# Altium PCB ER100_Driver.PcbDoc (part 1 of 2)
Units mil, origin at the board's own origin, x right, y up, seen from the top; angles counter-clockwise.
Board outline 4527.56 x 3228.35 mil, 4 copper layers (Top Layer, MidLayer1, MidLayer2, Bottom Layer); 68 components, 74 nets, 510 pads, 543 vias.
Unrouted connection lines stored in the file: 17.
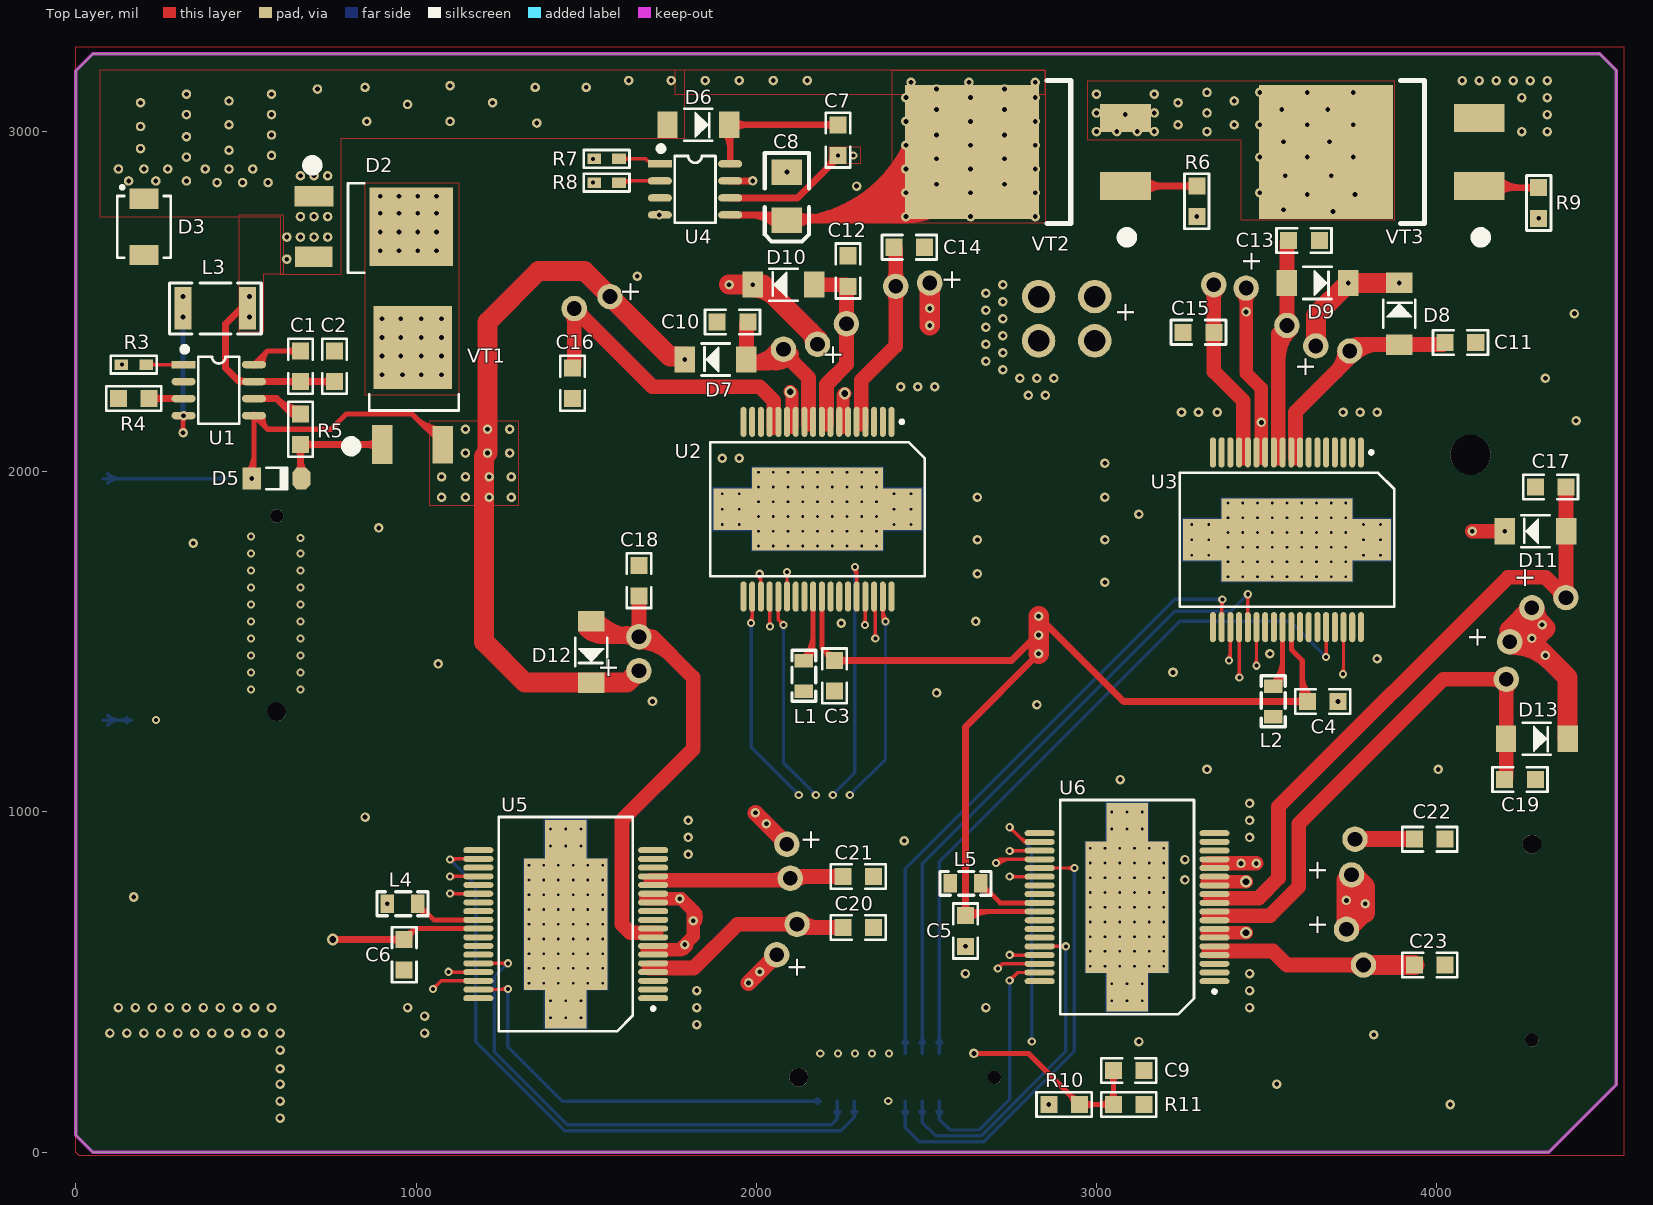
[diagram p0: Top Layer view]
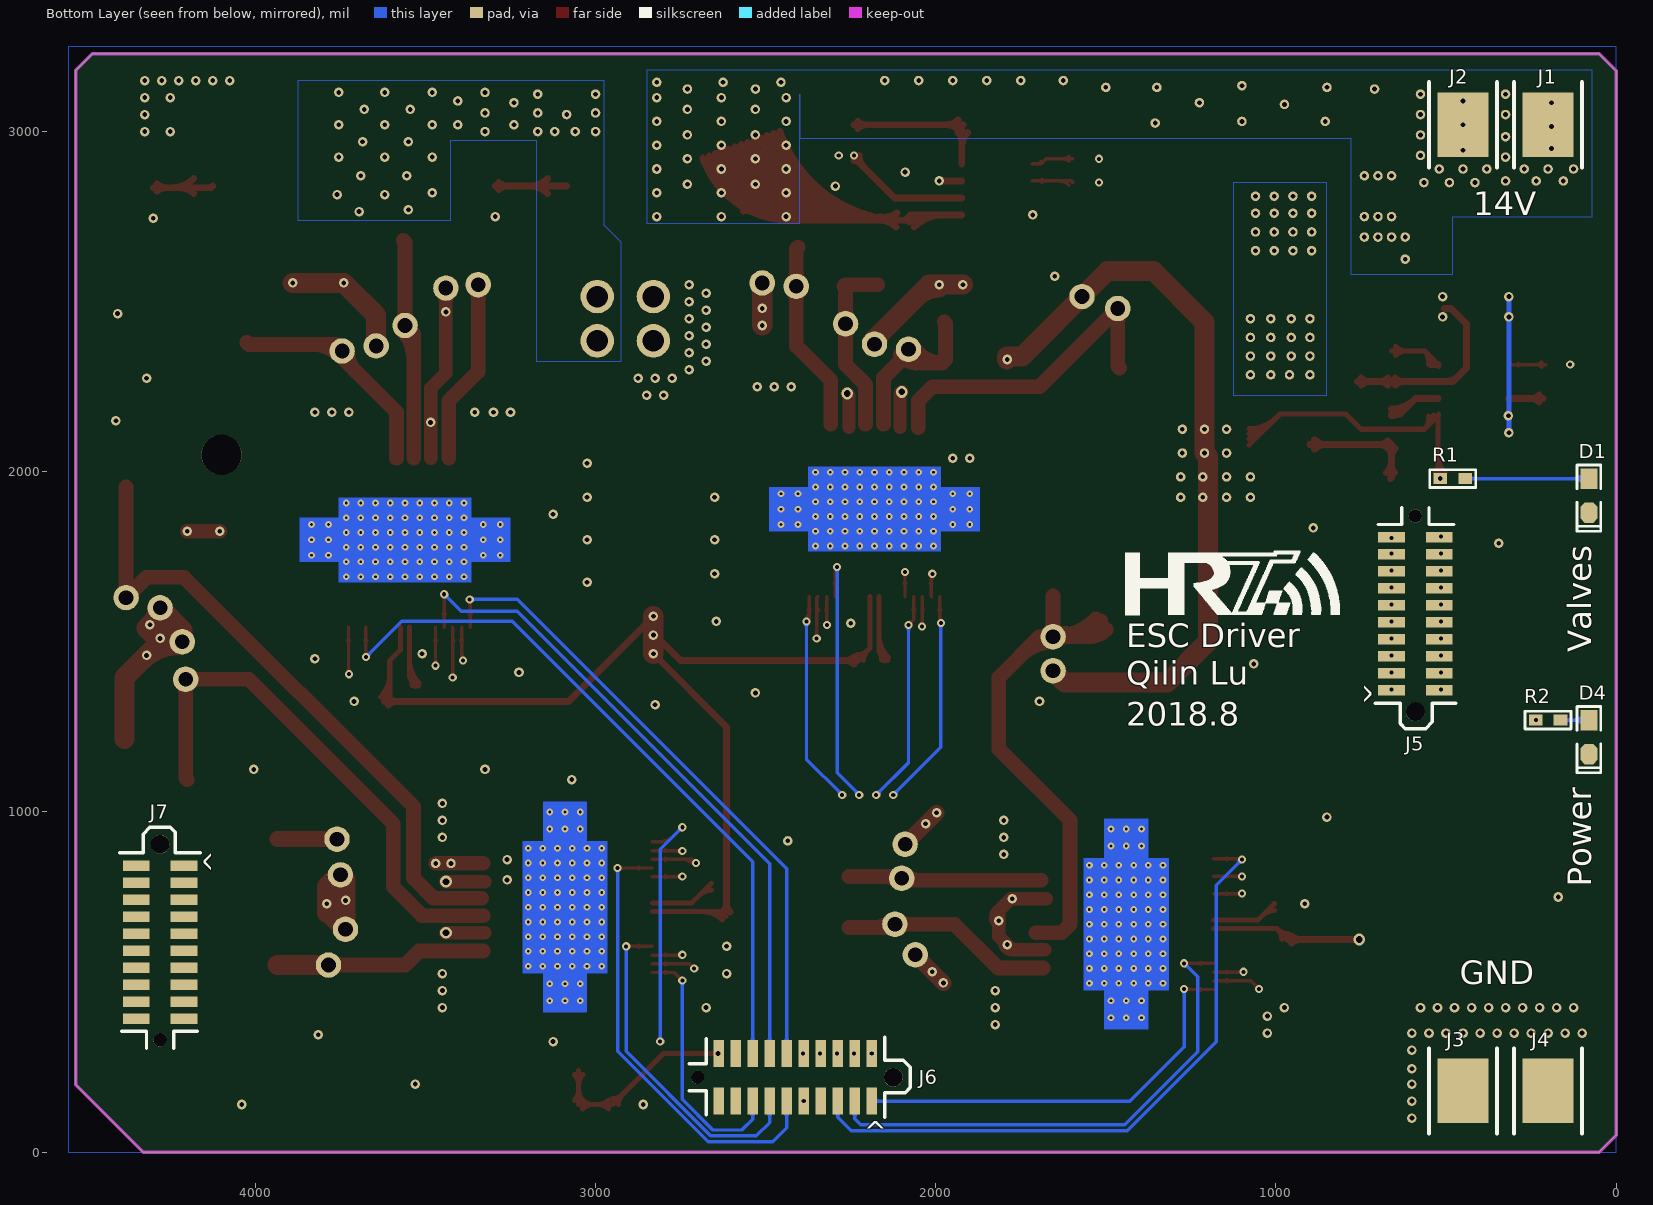
[diagram p1: Bottom Layer view, seen from below]
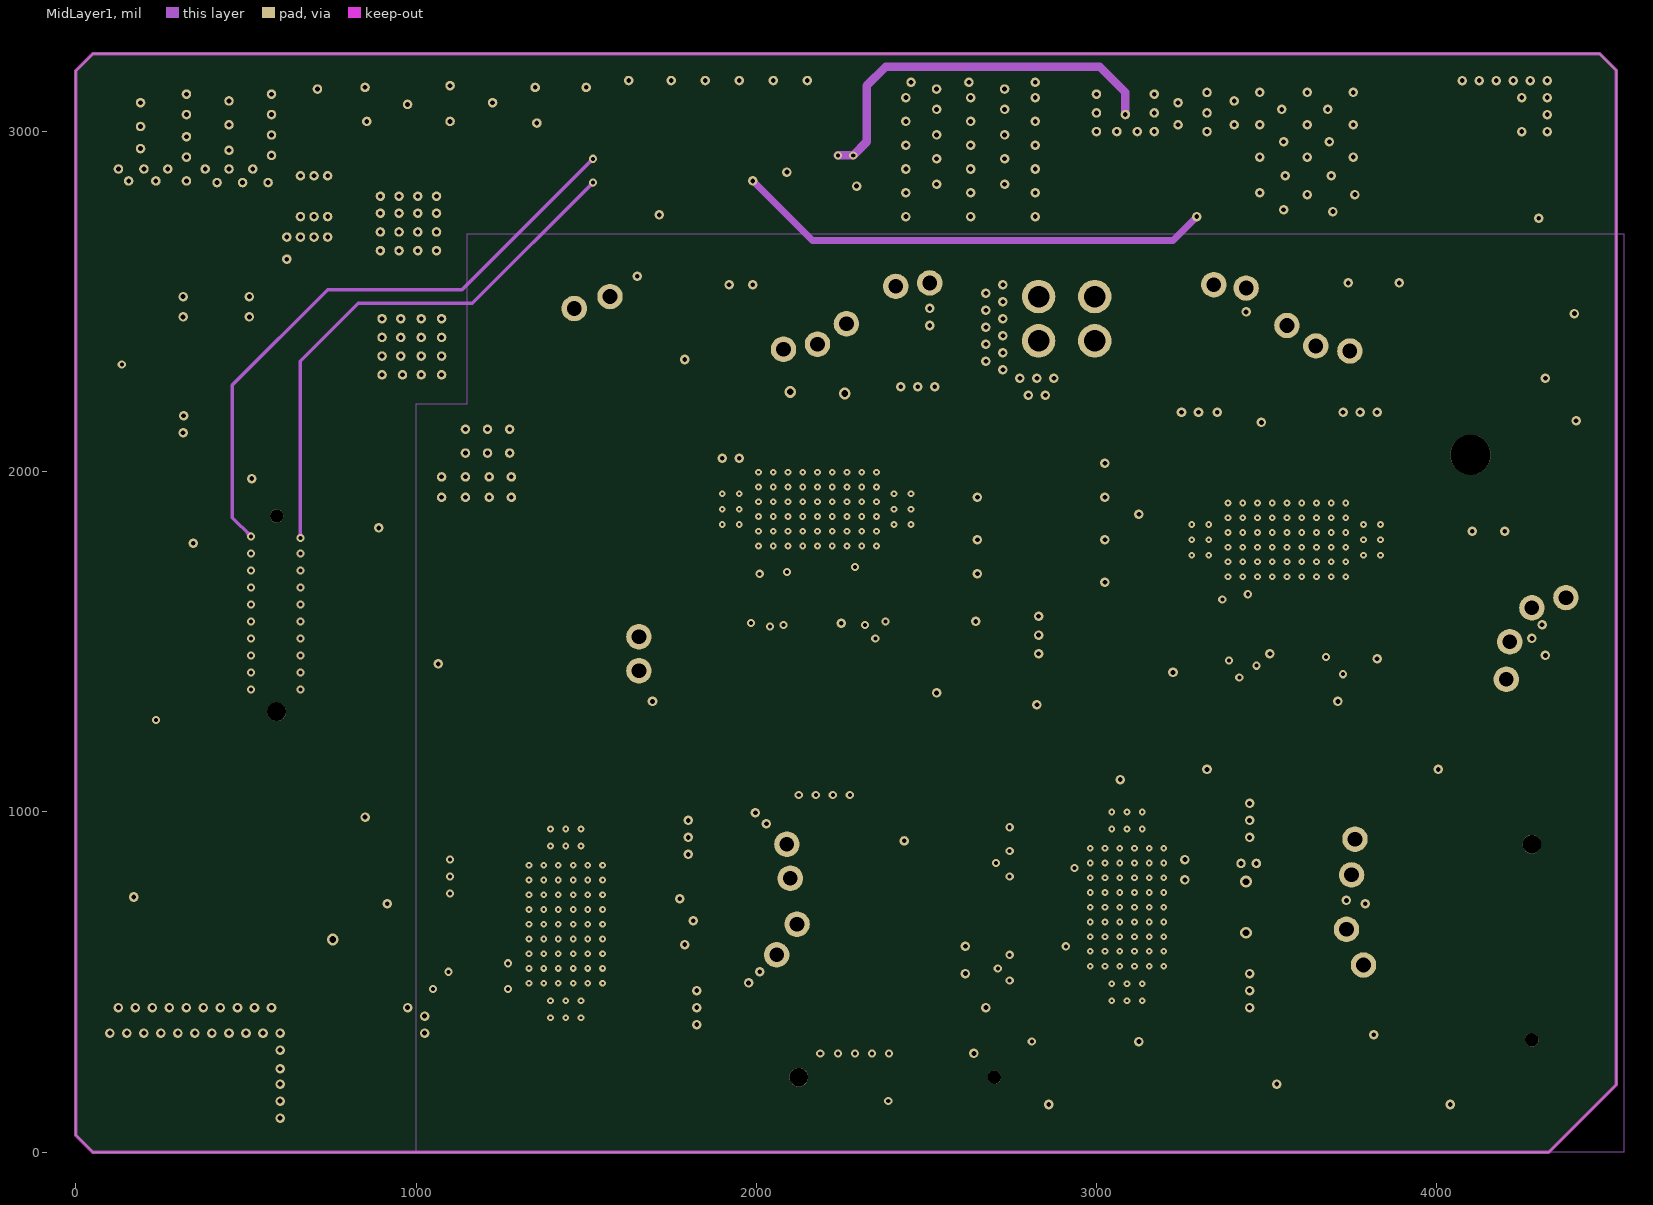
[diagram p2: MidLayer1]
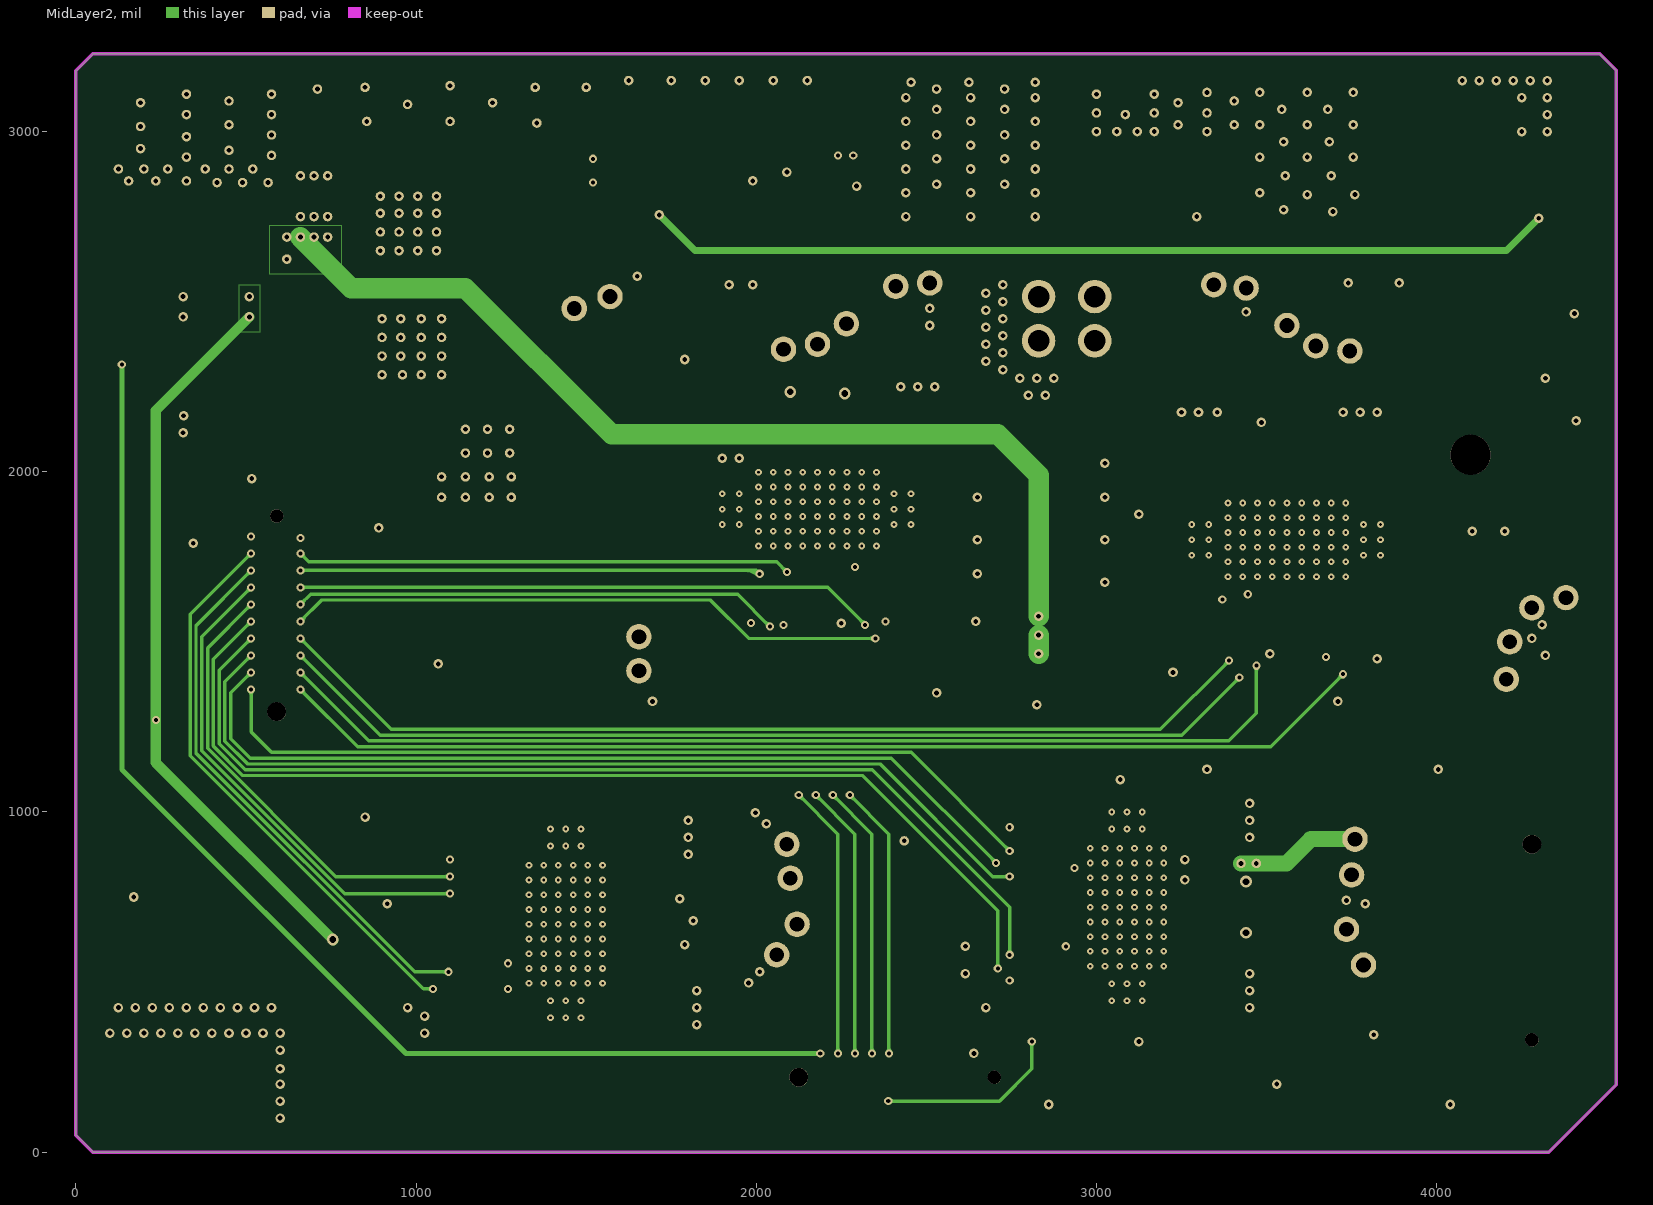
[diagram p3: MidLayer2]
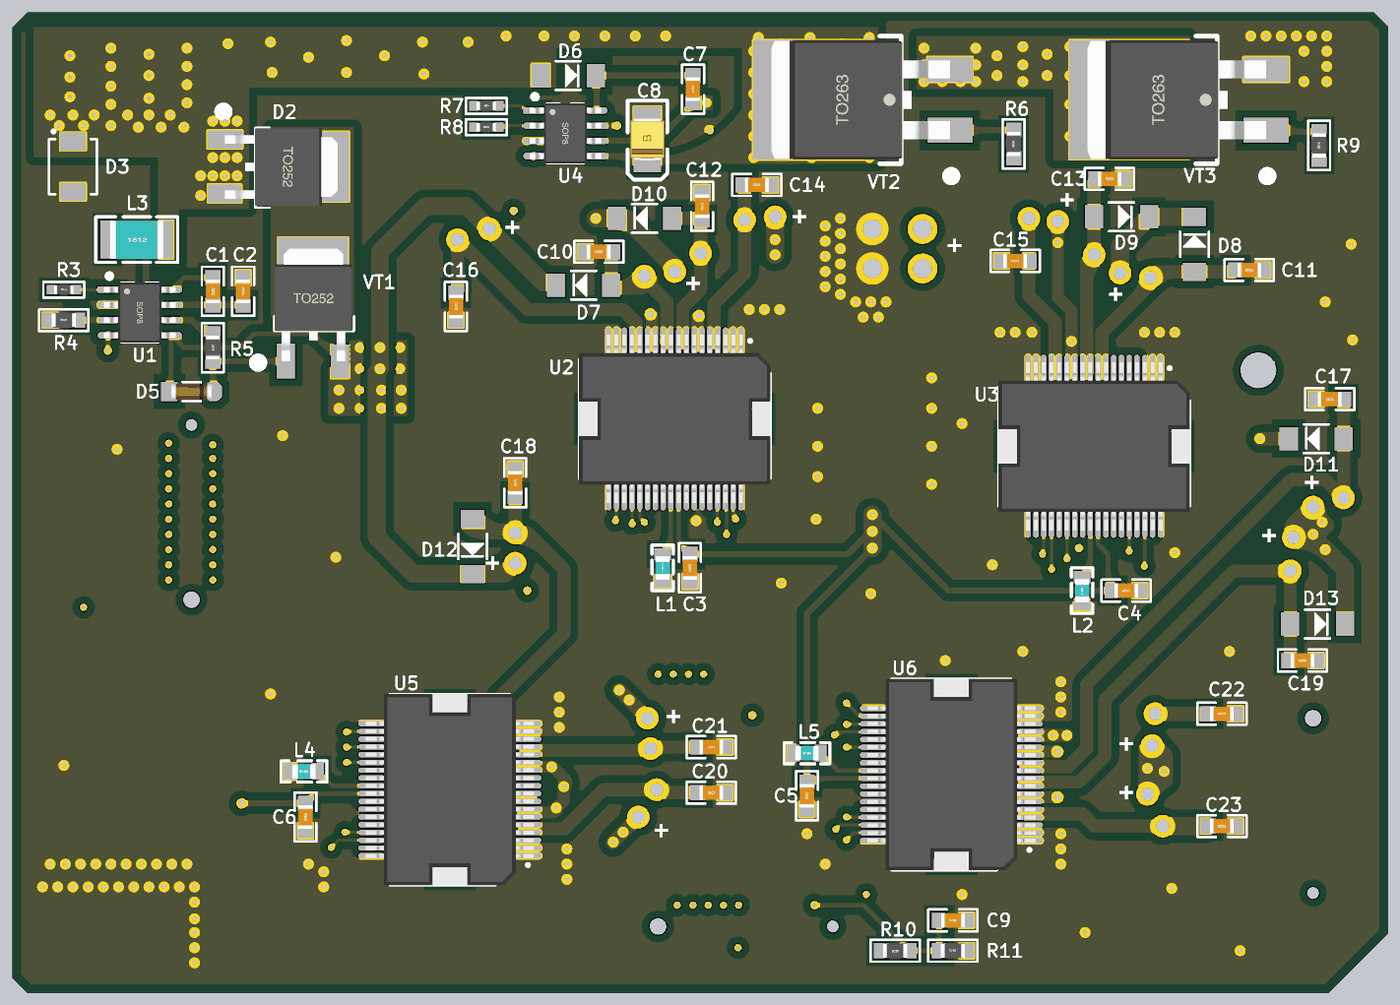
[diagram p5: 3D render of the assembled board from above, using the file's embedded part models]
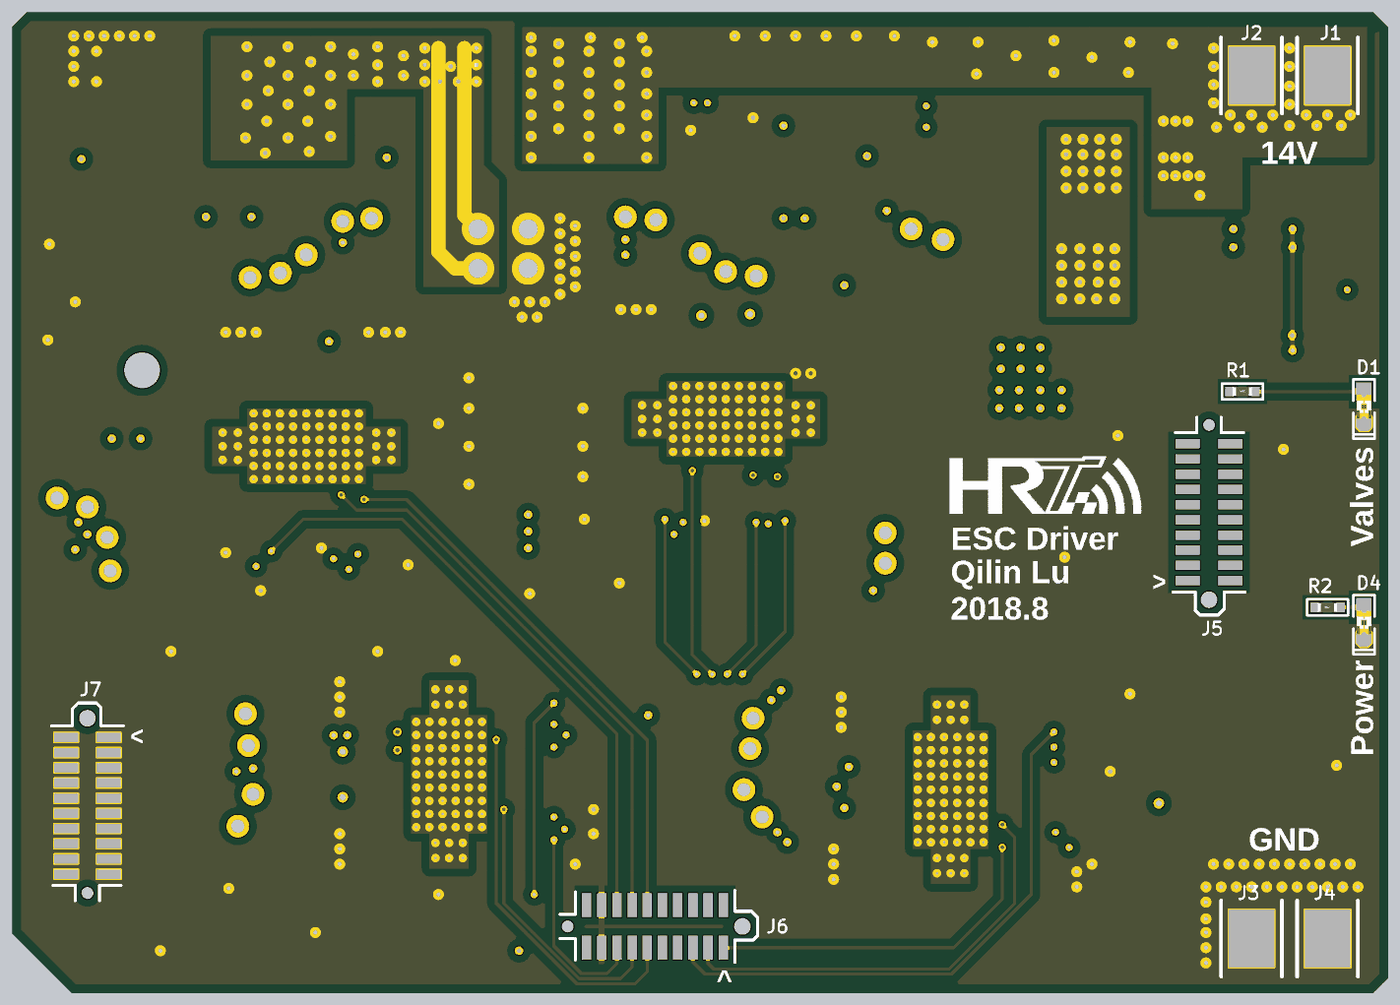
[diagram p6: 3D render of the assembled board from below, using the file's embedded part models]

## Layer stack, top to bottom
Top Solder: solder mask 0.4, Solder Resist, Dk 3.5
Top Layer: signal copper 1.4
Dielectric1: core 12.6, FR-4, Dk 4.8
MidLayer1: signal copper 1.4
Dielectric2: prepreg 12.6, FR-4, Dk 4.8
MidLayer2: signal copper 1.4
Dielectric3: core 12.6, FR-4, Dk 4.8
Bottom Layer: signal copper 1.4
Bottom Solder: solder mask 0.4, Solder Resist, Dk 3.5

## Board outline
50,0 0,50 0,3178.35 50,3228.35 4479.21,3228.35 4527.56,3180 4527.56,197.56 4330,0

## Design rules (kind name [scope] priority, off if disabled: settings)
Clearance Clearance_InP [InPolygon] p1: gap=25 ignorepadtopadclearanceinfootprint=FALSE
Clearance Clearance_1 [All] p2: gap=7 ignorepadtopadclearanceinfootprint=FALSE except(0: Arc-Hole Track-Hole SMDPad-Hole THPad-Hole Via-Hole Fill-Hole Poly-Hole Region-Hole Text-Hole)
HoleSize [All] p1: absolutevalues=TRUE maxlimit=200 minlimit=1 maxpercent=80.000 minpercent=20.000
MinimumSolderMaskSliver [All] p1: minsoldermaskwidth=5
PlaneClearance [All] p1: clearance=25
PolygonConnect PolygonConnect_4 [IsPad vs InNet('NetD2_2')] p1: connectstyle=Direct reliefconductorwidth=10 reliefentries=4 polygonreliefangle="90 Angle" airgapwidth=10
PolygonConnect PolygonConnect_3 [IsPad vs InNet('VALVES+')] p2: connectstyle=Direct reliefconductorwidth=10 reliefentries=4 polygonreliefangle="90 Angle" airgapwidth=10
PolygonConnect PolygonConnect_2 [IsPad vs InNet('VCC_14V')] p3: connectstyle=Direct reliefconductorwidth=10 reliefentries=4 polygonreliefangle="90 Angle" airgapwidth=10
PolygonConnect PolygonConnect_1 [IsPad vs InNet('P_GND')] p4: connectstyle=Direct reliefconductorwidth=10 reliefentries=4 polygonreliefangle="90 Angle" airgapwidth=10
PolygonConnect [All] p5: connectstyle=Direct reliefconductorwidth=25 reliefentries=4 polygonreliefangle="90 Angle" airgapwidth=12
RoutingVias [All] p1: holewidth=28 width=50 viastyle="Through Hole" minholewidth=12 minwidth=24 maxholewidth=28 maxwidth=50
SilkToSilkClearance [All] p1: silktosilkclearance=1
SilkToSolderMaskClearance [IsPad] p1: minsilkscreentomaskgap=1 clearancetoexposedcopper=TRUE
SolderMaskExpansion [All] p1: expansion=4 istentingtop=FALSE
UnRoutedNet [All] p1: checkbadconnections=TRUE
Width [All] p1: maxlimit=300 minlimit=10 preferedwidth=10
24 further rules are at their usual default settings.

## Components (designator, comment, footprint, x,y, rotation, side; value= is the part's Value field where it differs from the comment)
C1 "50V 104" "C 0805" 660,2310 r270 top
C2 "10uF" "C 0805" 760,2310 r270 top
C3 "10uF" "C 0805" 2230,1400 r270 top
C4 "10uF" "C 0805" 3665,1325 r0 top
C5 "10uF" "C 0805" 2615,650 r270 top
C6 "10uF" "C 0805" 965,580 r270 top
C7 "50V 1uF" "C 0805" 2240,2975 r270 top
C8 "25V 10uF" "CP 3528B" 2090,2810 r90 top
C9 "104" "C 0805" 3095,240 r180 top
C10 "2.2uF" "C 0805" 1930,2440 r180 top
C11 "2.2uF" "C 0805" 4070,2380 r180 top
C12 "2.2uF" "C 0805" 2270,2590 r90 top
C13 "2.2uF" "C 0805" 3610,2680 r180 top
C14 "2.2uF" "C 0805" 2450,2660 r0 top
C15 "2.2uF" "C 0805" 3300,2410 r0 top
C16 "2.2uF" "C 0805" 1460,2260 r270 top
C17 "2.2uF" "C 0805" 4335,1955 r0 top
C18 "2.2uF" "C 0805" 1655,1680 r90 top
C19 "2.2uF" "C 0805" 4245,1095 r180 top
C20 "2.2uF" "C 0805" 2300,660 r0 top
C21 "2.2uF" "C 0805" 2300,810 r0 top
C22 "2.2uF" "C 0805" 3980,920 r0 top
C23 "2.2uF" "C 0805" 3980,550 r0 top
D1 "Orange" LED_0805 80,1930 r270 bottom
D2 "V40PWM45C" TO252_DIO 820,2720 r270 top
D3 "P6SMB18" DO-214AA 200,2720 r90 top
D4 "Blue" LED_0805 80,1220 r270 bottom
D5 "18V" LL34 590,1980 r0 top
D6 "ES1B-E3/61T" DO-214AC 1830,3020 r0 top
D7 "120T3G" DO-214AC 1880,2330 r180 top
D8 "120T3G" DO-214AC 3890,2465 r90 top
D9 "120T3G" DO-214AC 3650,2555 r0 top
D10 "120T3G" DO-214AC 2080,2550 r180 top
D11 "120T3G" DO-214AC 4290,1825 r180 top
D12 "120T3G" DO-214AC 1515,1470 r270 top
D13 "120T3G" DO-214AC 4295,1215 r0 top
J1 "SMT_Connector" SMT_Connector 200,3020 r180 bottom
J2 "SMT_Connector" SMT_Connector 450,3020 r180 bottom
J3 "SMT_Connector" SMT_Connector 450,180 r180 bottom
J4 "SMT_Connector" SMT_Connector 200,180 r180 bottom
J5 "20P_Female" B2B_1.27_Female 590,1870 r0 bottom
J6 "20P_Female" B2B_1.27_Female 2700,220 r270 bottom
J7 "20P_Female" B2B_1.27_Female 4280,330 r180 bottom
L1 "Inductor" "L 0805" 2140,1400 r270 top
L2 "Inductor" "L 0805" 3520,1325 r270 top
L3 "100uH" "L 1812" 410,2480 r0 top
L4 "Inductor" "L 0805" 960,730 r180 top
L5 "Inductor" "L 0805" 2615,790 r180 top
R1 "10K" "R 0603" 480,1980 r180 bottom
R2 "10K" "R 0603" 200,1270 r0 bottom
R3 "1K" "R 0603" 170,2315 r0 top
R4 "6.8R@Ipeak=167mA" "R 0805" 170,2215 r0 top
R5 "330R" "R 0805" 660,2125 r270 top
R6 "10R" "R 0805" 3295,2795 r90 top
R7 "1K" "R 0603" 1560,2920 r0 top
R8 "1K" "R 0603" 1560,2850 r0 top
R9 "10R" "R 0805" 4300,2790 r90 top
R10 "10K" "R 0805" 2905,140 r180 top
R11 "2.2K" "R 0805" 3095,140 r0 top
U1 "AUIR3241S" SOP8 420,2240 r0 top
U2 "L9348" PowerSO-36 2180,1890 r180 top
U3 "L9348" PowerSO-36 3560,1800 r180 top
U4 "IR2184" SOP8 1820,2830 r0 top
U5 "L9348" PowerSO-36 1440,670 r90 top
U6 "L9348" PowerSO-36 3090,720 r90 top
VT1 "SQD40N06" TO252 990,2200 r0 top
VT2 "STB170NF04" TO263-3B 2860,2940 r90 top
VT3 "STB170NF04" TO263-3B 3900,2940 r90 top
